# Altium PCB Copy of master.PcbDoc (part 7 of 7)
Units mm, origin at the board's own origin, x right, y up, seen from the top; angles counter-clockwise.
Board outline 160 x 120 mm, 6 copper layers (Top Signal, Top GND, Inner PWR, Inner Signal, Bottom GND, Bottom Signal), stack 1.571 mm thick; 553 components, 452 nets, 2073 pads, 879 vias.
Unrouted connection lines stored in the file: 269.
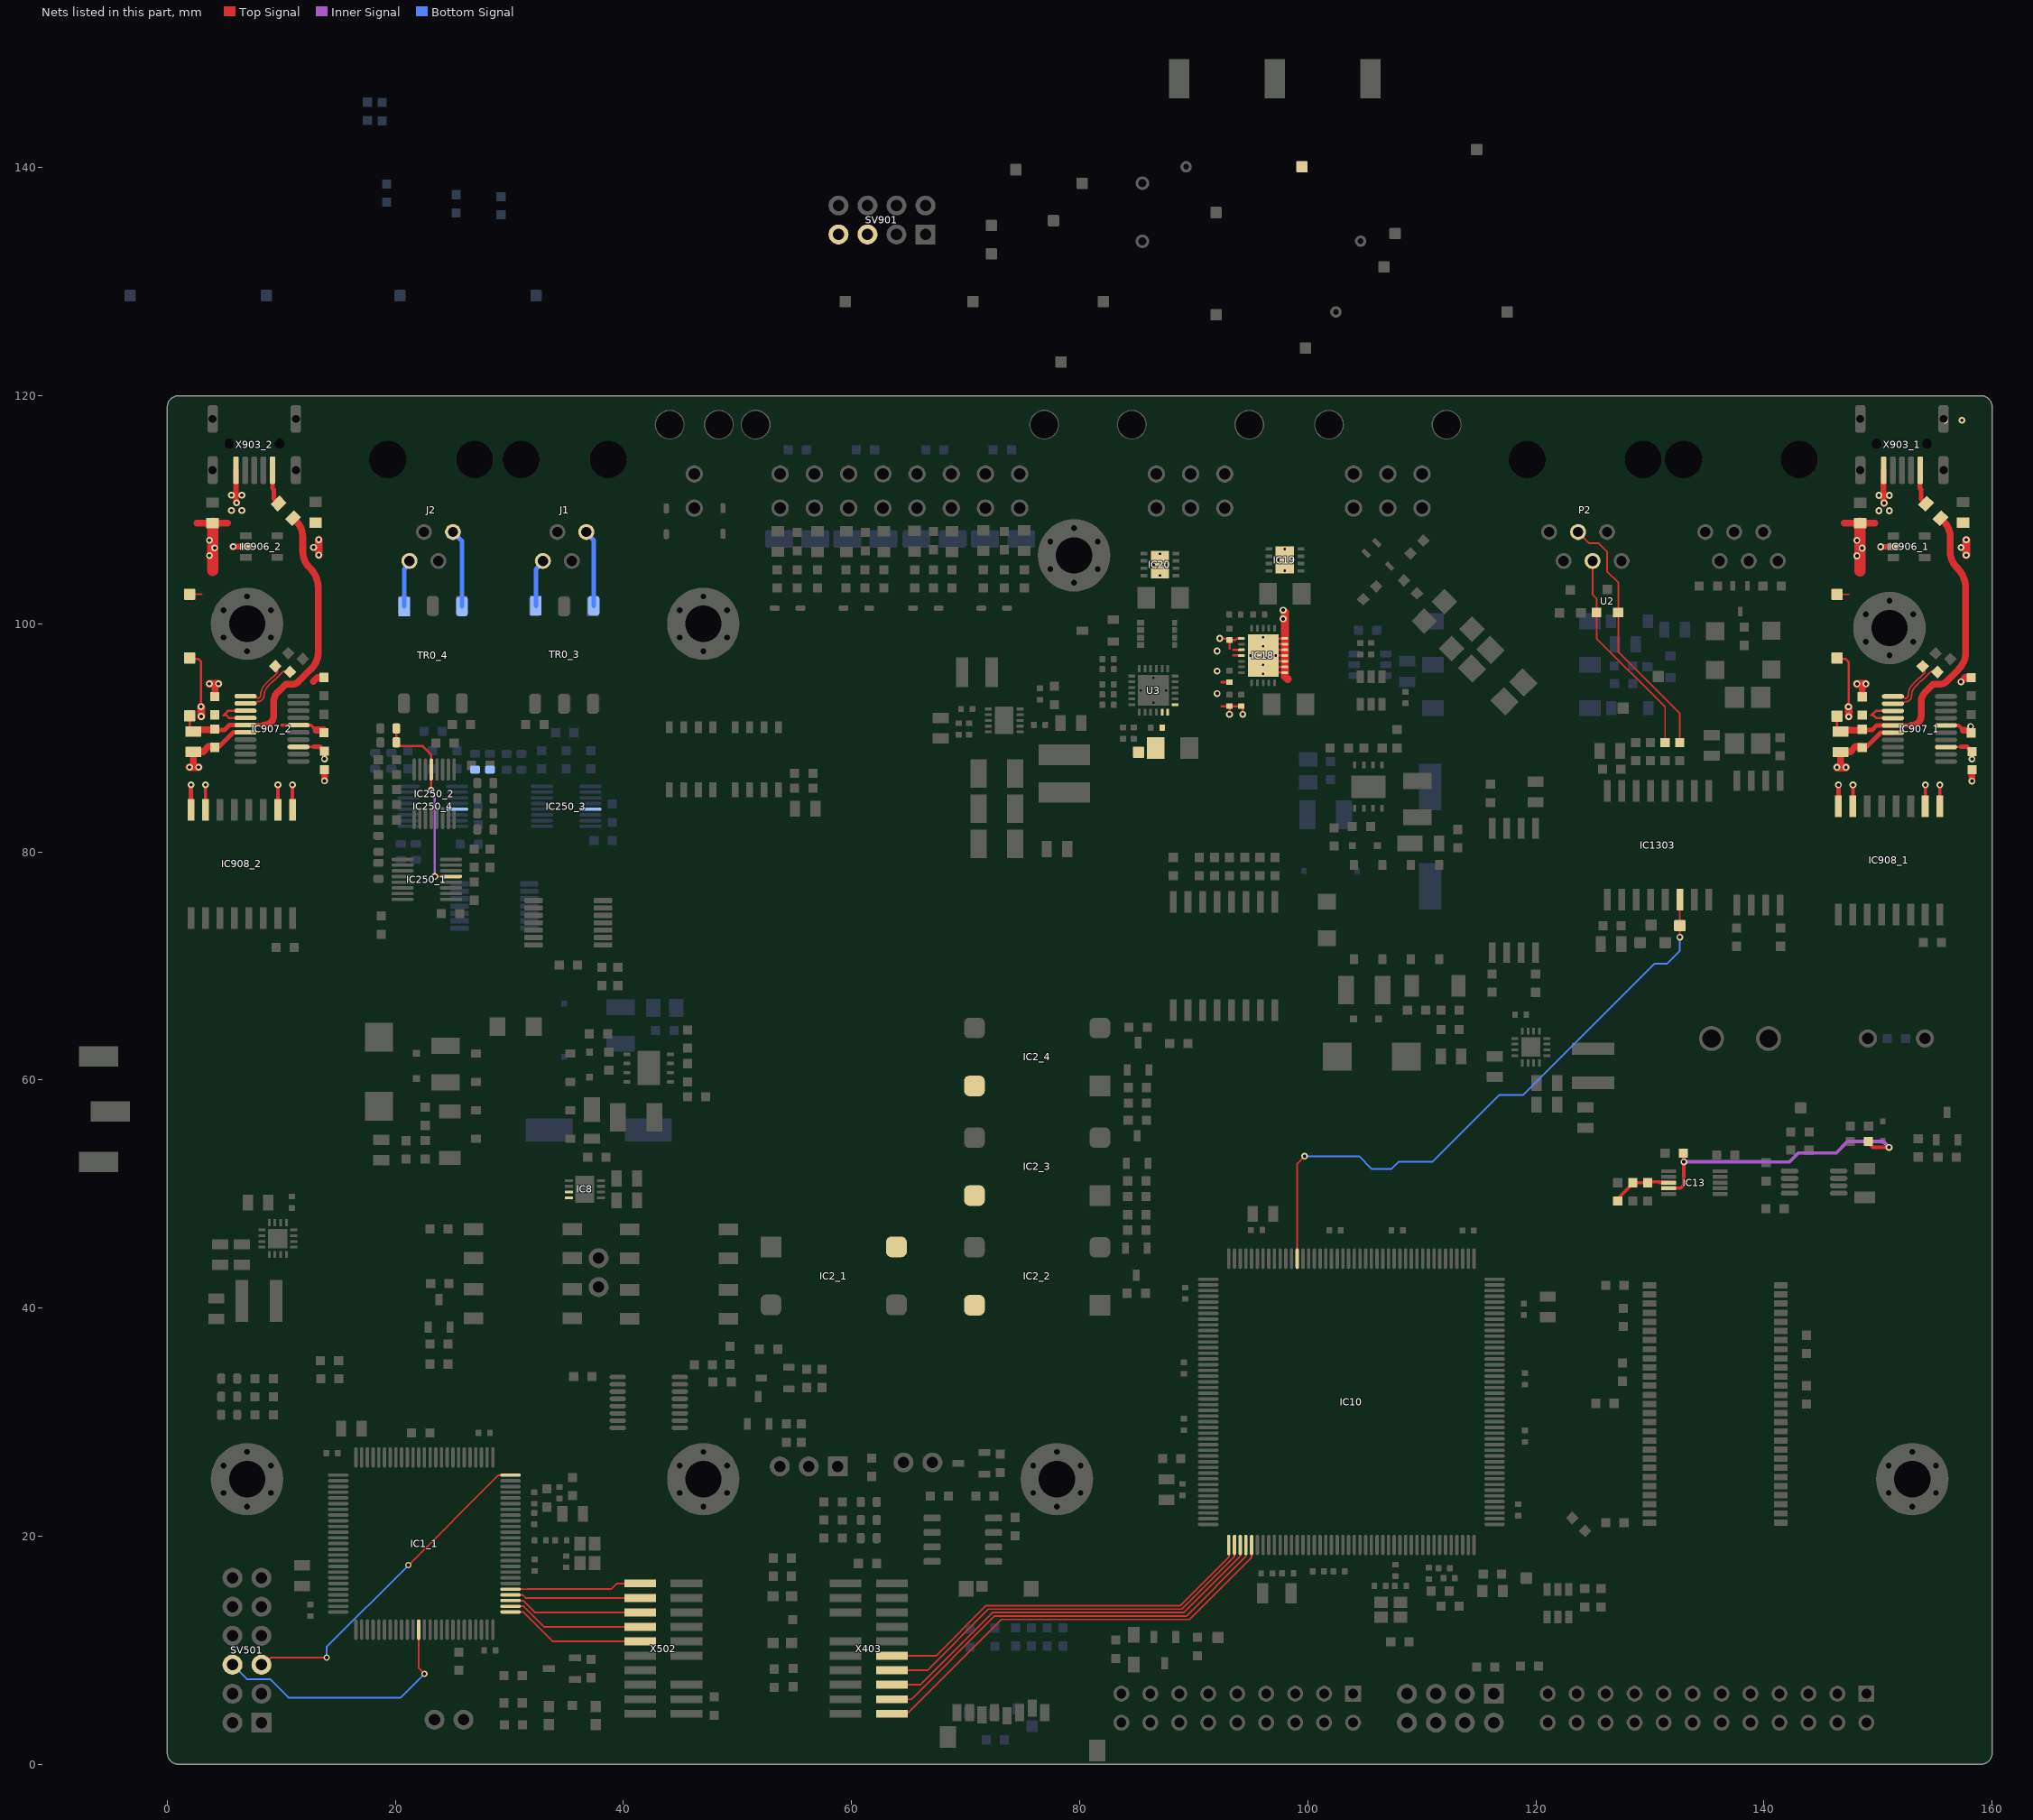
[diagram p11: the nets of this part, all layers, seen from the top]

## Via types
v1: diameter 0.6, hole 0.3, Top Signal to Bottom Signal, 679 vias
v2: diameter 0.55, hole 0.3, Top Signal to Bottom Signal, tented both sides, 125 vias
v3: diameter 0.45, hole 0.2, Top Signal to Bottom Signal, 31 vias
v4: diameter 0.5, hole 0.2, Top Signal to Bottom Signal, 16 vias
v5: diameter 0.5, hole 0.3, Top Signal to Bottom Signal, tented both sides, 13 vias
v6: diameter 0.55, hole 0.3, Top Signal to Bottom Signal, 10 vias
v7: diameter 0.6, hole 0.3, Top Signal to Bottom Signal, tented both sides, 4 vias
v8: diameter 0.5, hole 0.3, Top Signal to Bottom Signal, 1 vias

## Nets (pads, with @x,y where several pads share a name; then routed paths per layer and width w, separated by ;. In a path a pad name is that pad's centre, name@x,y a point inside that pad or via, vN(x,y) a via of type N, cw(c..) or ccw(c..) an arc to the next point about the centre after c; other vN are vias at no path point) (continued)
RS485_MCU_0_TX: IC10.120 IC1303.6 LSP1302.1 | length 55
  Top Signal w0.15: LSP1302.1@132.611,73.528 IC1303.6@132.611,75.833
  Top Signal w0.152: IC10.120@99.072,44.334 99.072,52.665 v1(99.723,53.315) ; v1(132.611,72.52) LSP1302.1@132.611,73.528
  Bottom Signal w0.152: v1(99.723,53.315) 104.495,53.315 105.616,52.194 107.312,52.194 107.943,52.825 110.929,52.825 116.774,58.671 118.851,58.671 130.377,70.196 131.473,70.196 132.611,71.335 v1(132.611,72.52)
RS485_Y_EXT: P2.4 R55.1 U2.2 | length 22.6
  Top Signal w0.15: P2.4@123.698,108.052 124.689,107.061 125.498,107.061 126.231,106.328 126.231,104.597 127.231,103.596 127.231,97.495 132.611,92.115 R55.1@132.611,89.584
RS485_Z_EXT: P2.3 R92.1 U2.1 | length 18.6
  Top Signal w0.15: P2.3@124.968,105.512 124.968,102.558 125.321,102.205 U2.1@125.321,100.996 125.321,98.713 131.324,92.71 R92.1@131.324,89.584
RTN_EXT_0: C122.2 IC18.1 IC18.2 IC18.3 IC18.4 IC18.5 IC18.6 IC18.7 IC18.13 IC18.15 IC18.16 IC18.25 IC18.V R77.1 R79.1 R80.1 | length 29
  Top Signal w0.2: v1(92.285,98.717) 92.987,98.717 R80.1@93.131,98.572 ; 92.42,92.781 R77.1@93.131,92.781 ; 92.445,94.881 93.126,94.881 R79.1@93.131,94.887 ; R80.1@93.063,98.504 R80.1@93.131,98.572 ; v1(93.131,92.062) R77.1@93.131,92.781 ; 93.156,97.822 93.131,97.847 R80.1@93.131,98.572 ; 93.446,97.217 IC18.16@94.182,97.217 ; 93.473,97.717 IC18.15@94.182,97.717 ; IC18.13@94.182,98.717 93.781,98.717 93.636,98.572 R80.1@93.131,98.572 ; v1(94.299,92.062) 94.299,92.781 R77.1@93.131,92.781 ; IC18.1@97.982,95.717 97.332,95.717 96.082,96.967 IC18.25@96.082,97.217 ; IC18.2@97.982,96.217 97.082,96.217 IC18.25@96.582,96.717 ; IC18.3@97.982,96.717 IC18.25@96.582,96.717 ; IC18.4@97.982,97.217 IC18.25@96.082,97.217 ; IC18.5@97.982,97.717 IC18.25@96.582,97.717 ; IC18.6@97.982,98.217 97.082,98.217 IC18.25@96.582,97.717 ; IC18.7@97.982,98.717 97.332,98.717 96.082,97.467 IC18.25@96.082,97.217 ; IC18.25@96.082,97.217 IC18.25@96.582,97.717 ; IC18.25@96.082,97.217 IC18.25@96.582,96.717
  Top Signal w0.7: v1@97.982,101.012 IC18.7@97.982,98.717 IC18.6@97.982,98.217 IC18.5@97.982,97.717 IC18.4@97.982,97.217 IC18.3@97.982,96.717 IC18.2@97.982,96.217 IC18.1@97.982,95.717 97.982,95.398 98.237,95.143
  other v1: 92.056,93.881 92.056,95.844 92.056,97.611 97.838,100.43 97.838,101.2
SEC_OUT_N: J1.4 TR0_3.1 | length 4.2
  Bottom Signal w0.4: TR0_3.1@32.311,101.582 32.311,104.778 32.928,105.395 J1.4@32.928,105.512
SEC_OUT_P: J1.1 TR0_3.3 | length 6.7
  Bottom Signal w0.4: J1.1@36.738,108.052 36.738,107.971 37.391,107.318 TR0_3.3@37.391,101.582
SEC_REV_N: J2.4 TR0_4.1 | length 4.2
  Bottom Signal w0.4: TR0_4.1@20.764,101.52 20.764,104.777 21.234,105.248 J2.4@21.234,105.512
SEC_REV_P: J2.1 TR0_4.3 | length 6.9
  Bottom Signal w0.4: J2.1@25.044,108.052 25.844,107.252 TR0_4.3@25.844,101.52
SLOW_1: IC250_1.13 IC250_2.13 JP202_1.1 JP206_1.2 | length 16.8
  Top Signal w0.2: JP206_1.2@20.08,90.519 20.08,89.301 22.345,89.301 23.143,88.503 IC250_2.13@23.143,87.219 23.139,87.215 v1(23.139,85.393) ; v1(23.459,77.841) IC250_1.13@24.874,77.841
  Inner Signal w0.2: v1(23.139,85.393) 23.459,85.072 v1(23.459,77.841)
SLOW_2: IC250_3.13 IC250_4.13 JP202_2.1 JP206_2.2
SUPPLY_ext: C38.2 IC2_1.4 IC2_2.4 IC2_3.4 IC2_4.4 IC8.7 IC8.8 R57.2 SV901.5 SV901.7 TPeEX2.1 TPeSUP1.1 U3.17 U3.18 U3.19
TRACECLK_MCU_0: IC10.1 X403.12 | length 33.9
  Top Signal w0.152: X403.12@64.535,9.511 67.387,9.511 71.791,13.914 88.819,13.914 93.079,18.174 93.079,19.228 IC10.1@93.073,19.234 IC10.1@93.073,18.522
TRACECLK_MCU_1: IC1_1.1 X502.12 | length 12.5
  Top Signal w0.15: 39.42,10.78 39.703,10.78 39.71,10.786
  Top Signal w0.152: IC1_1.1@30.293,13.354 31.189,13.354 33.756,10.786 39.71,10.786 ; 39.703,10.78 X502.12@41.465,10.78
TRACED0_MCU_0: IC10.2 X403.14 | length 34.2
  Top Signal w0.15: X403.14@64.535,8.241 66.626,8.241 71.995,13.61 88.944,13.61 93.572,18.238 IC10.2@93.572,19.234
TRACED0_MCU_1: IC1_1.2 X502.14 | length 11.9
  Top Signal w0.152: IC1_1.2@30.293,13.854 31.234,13.854 33.038,12.05 X502.14@41.465,12.05
TRACED1_MCU_0: IC10.3 X403.16 | length 35.2
  Top Signal w0.15: X403.16@64.535,6.971 66.029,6.971 72.379,13.321 89.157,13.321 94.073,18.236 IC10.3@94.073,19.234
TRACED1_MCU_1: IC1_1.3 X502.16 | length 11.6
  Top Signal w0.152: IC1_1.3@30.293,14.354 31.182,14.354 32.216,13.32 39.42,13.32 X502.16@41.465,13.32
TRACED2_MCU_0: IC10.4 X403.18 | length 37.2
  Top Signal w0.15: X403.18@63.535,5.701 65.247,5.701 ; 65.247,5.712 72.517,12.982 89.333,12.982 94.572,18.221 IC10.4@94.572,19.234
TRACED2_MCU_1: IC1_1.4 X502.18 | length 11.3
  Top Signal w0.152: IC1_1.4@30.293,14.854 31.162,14.854 31.426,14.59 X502.18@41.465,14.59
TRACED3_MCU_0: IC10.5 X403.20 | length 38.3
  Top Signal w0.15: X403.20@63.535,4.431 64.878,4.431 73.147,12.7 89.612,12.7 95.073,18.161 IC10.5@95.073,19.234
TRACED3_MCU_1: IC1_1.5 X502.20 | length 11.4
  Top Signal w0.152: IC1_1.5@30.293,15.354 31.166,15.354 31.169,15.351 31.586,15.351 31.589,15.354 38.914,15.354 39.42,15.86 X502.20@41.465,15.86
U_1_N: IC907_1.12 R913_1.1 | length 5.4
  Top Signal w0.14: IC907_1.12@151.304,92.998 151.998,92.998 ccw(c151.998,93.291) 152.205,93.084 cw(c152.412,92.877) 152.412,93.17 152.488,93.17 ccw(c152.488,93.46) 152.692,93.255 152.835,93.397 ccw(c152.63,93.603) 152.92,93.603 cw(c154.271,93.603) 153.316,94.558 153.715,94.957 cw(c153.759,94.912) 153.759,94.975 ccw(c153.759,95.039) 153.804,94.994 154.528,95.718 cw(c154.965,95.281) 154.965,95.899 155.143,95.899 cw(c155.143,95.711) R913_1.1@155.276,95.844
U_1_P: IC907_1.11 R914_1.1 | length 4.8
  Top Signal w0.14: IC907_1.11@151.304,93.633 151.998,93.633 cw(c151.998,93.341) 152.205,93.548 152.222,93.531 ccw(c152.389,93.698) 152.389,93.462 ccw(c152.389,93.698) 152.556,93.531 ccw(c152.381,93.706) 152.628,93.706 cw(c154.023,93.706) 153.037,94.692 153.594,95.249 cw(c153.639,95.204) 153.639,95.267 ccw(c153.639,95.331) 153.683,95.286 154.074,95.677 ccw(c153.976,95.776) 154.115,95.776 154.115,95.819 ccw(c154.08,95.819) 154.105,95.844 cw(c154.13,95.869) 154.095,95.869 154.095,96.071 ccw(c153.716,96.071) R914_1.1@153.984,96.339
U_2_N: IC907_2.12 R913_2.1 | length 5.4
  Top Signal w0.14: IC907_2.12@6.858,93.015 7.552,93.015 ccw(c7.552,93.307) IC907_2.12@7.759,93.101 ; IC907_2.12@7.759,93.101 cw(c7.966,92.894) 7.966,93.186 8.042,93.186 ccw(c8.042,93.476) 8.247,93.271 8.389,93.414 ccw(c8.184,93.619) 8.474,93.619 cw(c9.826,93.619) 8.87,94.575 9.269,94.973 cw(c9.314,94.928) 9.314,94.992 ccw(c9.314,95.055) 9.359,95.01 10.082,95.734 cw(c10.519,95.297) 10.519,95.915 10.698,95.915 cw(c10.698,95.728) R913_2.1@10.83,95.86
U_2_P: IC907_2.11 R914_2.1 | length 4.8
  Top Signal w0.14: IC907_2.11@6.858,93.65 7.552,93.65 cw(c7.552,93.357) 7.759,93.564 7.776,93.548 ccw(c7.943,93.715) 7.943,93.478 ccw(c7.943,93.715) 8.11,93.548 ccw(c7.935,93.722) 8.182,93.722 cw(c9.577,93.722) 8.591,94.708 9.148,95.265 cw(c9.193,95.22) 9.193,95.284 ccw(c9.193,95.347) 9.238,95.302 9.628,95.693 ccw(c9.53,95.792) 9.669,95.792 9.669,95.836 ccw(c9.635,95.836) 9.659,95.86 ; R914_2.1@9.538,96.355 cw(c9.27,96.087) 9.649,96.087 9.649,95.885 ccw(c9.684,95.885) 9.659,95.86
USART_MCU_1_RX: IC1_1.87 SV501.6 | length 22.8
  Top Signal w0.152: IC1_1.87@22.043,11.604 22.043,8.424 v2(22.543,7.924)
  Bottom Signal w0.152: SV501.6@5.715,8.73 6.977,7.468 8.992,7.468 10.618,5.842 20.461,5.842 v2(22.543,7.924)
USART_MCU_1_TX: IC1_1.25 SV501.5 | length 29.5
  Top Signal w0.152: SV501.5@8.255,8.73 8.444,8.73 9.067,9.353 v2(13.97,9.353) ; v2(21.141,17.459) 29.036,25.354 IC1_1.25@30.092,25.354 IC1_1.25@30.293,25.354
  Bottom Signal w0.152: v2(13.97,9.353) 13.97,10.288 v2(21.141,17.459)
USB_+3.3V_1: C4_1.1 C10_1.1 IC907_1.3 IC907_1.13 IC907_1.14 IC908_1.1 IC908_1.7 TPu3.3v2_1.1 | length 16.6
  Top Signal w0.2: TPu3.3v2_1.1@146.859,96.909 147.151,96.909 147.404,96.656 v1(147.404,92.719) ; 149.399,91.957 149.512,92.07 ; IC907_1.14@151.304,91.728 149.854,91.728 149.512,92.07 ; IC907_1.13@151.304,92.363 149.805,92.363 149.512,92.07 ; IC907_1.3@155.954,89.188 157.24,89.188 157.259,89.207
  Top Signal w0.3: IC908_1.7@147.795,83.677 v1(147.795,85.871) ; IC908_1.1@155.415,83.677 v1(155.415,85.871)
  Top Signal w0.4: 157.259,89.207 157.817,89.207 C10_1.1@157.944,89.08 ; C10_1.1@158.226,88.798 158.229,88.796 158.229,88.132 v1(158.231,88.129)
  Top Signal w0.7: v1(147.404,92.719) 147.418,92.705 v1(147.418,91.855)
USB_+3.3V_2: C4_2.1 C10_2.1 IC907_2.3 IC907_2.13 IC907_2.14 IC908_2.1 IC908_2.7 TPu3.3v2_2.1 | length 16.6
  Top Signal w0.2: TPu3.3v2_2.1@2.413,96.925 2.705,96.925 2.958,96.672 v1(2.958,92.735) ; 4.953,91.973 5.066,92.087 ; IC907_2.14@6.858,91.745 5.408,91.745 5.066,92.087 ; IC907_2.13@6.858,92.38 5.359,92.38 5.066,92.087 ; IC907_2.3@11.508,89.205 12.794,89.205 12.813,89.224
  Top Signal w0.3: IC908_2.7@3.349,83.693 v1(3.349,85.888) ; IC908_2.1@10.969,83.693 v1(10.969,85.888)
  Top Signal w0.4: 12.813,89.224 13.371,89.224 C10_2.1@13.498,89.096 ; C10_2.1@13.78,88.814 13.783,88.812 13.783,88.148 v1(13.785,88.146)
  Top Signal w0.7: v1(2.958,92.735) 2.972,92.722 v1(2.972,91.872)
USB_+VBUS_1: C1_1.1 C3_1.1 IC907_1.15 L901_1.2 TPuVb2_1.1 | length 28.6
  Top Signal w0.2: C1_1.1@146.4,90.675 TPuVb2_1.1@146.4,91.905 ; C3_1.1@148.727,90.443 C3_1.1@148.808,90.524
  Top Signal w0.4: C3_1.1@148.611,90.675 149.463,90.675 149.881,91.093 IC907_1.15@151.304,91.093 152.92,91.093
  Top Signal w0.6: C1_1.1@146.719,90.671 146.724,90.675 C3_1.1@148.611,90.675 ; 152.92,91.093 152.923,91.093 ccw(c152.923,91.961) 153.536,91.347 ccw(c152.955,91.929) 153.777,91.929 153.777,93.17 cw(c154.919,93.17) 154.112,93.977 154.826,94.692 155.423,94.692 ccw(c155.423,95.443) 155.954,94.912 157.07,96.027 ccw(c155.6,97.498) 157.679,97.498 157.679,103.105 ccw(c155.139,103.105) 156.935,104.901 156.893,104.943 cw(c158.277,106.326) 156.32,106.326 156.32,107.611 ccw(c154.398,107.611) L901_1.2@155.757,108.97
USB_+VBUS_2: C1_2.1 C3_2.1 IC907_2.15 L901_2.2 TPuVb2_2.1 | length 28.6
  Top Signal w0.2: C1_2.1@1.954,90.692 TPuVb2_2.1@1.954,91.921 ; C3_2.1@4.281,90.459 C3_2.1@4.362,90.54
  Top Signal w0.4: C3_2.1@4.166,90.692 5.018,90.692 5.436,91.11 IC907_2.15@6.858,91.11 8.474,91.11
  Top Signal w0.6: C1_2.1@2.273,90.687 2.278,90.692 C3_2.1@4.166,90.692 ; 8.474,91.11 8.477,91.11 ccw(c8.477,91.977) 9.091,91.364 ccw(c8.509,91.945) 9.331,91.945 9.331,93.186 cw(c10.473,93.186) 9.666,93.993 10.381,94.708 10.977,94.708 ccw(c10.977,95.459) 11.508,94.928 12.624,96.044 ccw(c11.154,97.515) 13.233,97.515 13.233,103.121 ccw(c10.693,103.121) 12.489,104.917 12.448,104.959 cw(c13.831,106.343) 11.874,106.343 11.874,107.627 ccw(c9.952,107.627) L901_2.2@11.311,108.987
USB_GND_1: C1_1.2 C3_1.2 C4_1.2 C10_1.2 IC906_1.2 IC907_1.6 IC907_1.16 IC908_1.2 IC908_1.8 L902_1.1 L903_1.1 R915_1.2 R916_1.2 TPuGND2_1.1 X903_1.5 | length 28.7
  Top Signal w0.152: TPuGND2_1.1@146.4,102.573 147.445,102.573
  Top Signal w0.3: IC908_1.2@154.145,83.677 v1(154.145,85.871) ; IC907_1.6@155.822,91.146 IC907_1.6@155.922,91.146 ; IC907_1.6@155.954,91.093 157.051,91.093 157.474,90.671
  Top Signal w0.4: IC908_1.8@146.525,83.677 v1(146.525,85.871) ; C3_1.2@148.611,89.225 148.994,89.225 150.227,90.458 IC907_1.16@151.304,90.458
  Top Signal w0.5: v1(150.218,106.749) IC906_1.2@151.332,106.749
  Top Signal w0.6: 146.794,87.413 146.719,87.488 146.719,88.621 146.869,88.771 147.58,88.771 148.035,89.225 C3_1.2@148.611,89.225 ; 147.031,108.812 L903_1.1@148.421,108.812 149.72,108.812 ; 148.411,104.633 148.421,104.642 ; 148.536,94.728 148.611,94.653 C4_1.2@148.611,93.52 ; v1(157.259,94.912) 157.626,95.279 R915_1.2@158.174,95.279 ; 157.474,90.671 R916_1.2@158.151,90.671 ; v1(158.231,86.209) C10_1.2@158.231,87.233
  Top Signal w0.7: v1(146.4,87.413) 146.794,87.413 v1(147.188,87.413) ; v1(148.143,94.728) 148.536,94.728 v1(148.93,94.728) ; v1(157.729,106.012) v1(157.729,107.357)
  Top Signal w1: 148.421,104.642 L903_1.1@148.421,108.812
  other v1: 158.113,90.996 148.143,105.961 148.598,106.634 157.273,106.684 148.143,107.306 155.853,117.84 157.353,117.84
USB_GND_2: C1_2.2 C3_2.2 C4_2.2 C10_2.2 IC906_2.2 IC907_2.6 IC907_2.16 IC908_2.2 IC908_2.8 L902_2.1 L903_2.1 R915_2.2 R916_2.2 TPuGND2_2.1 X903_2.5 | length 35.9
  Top Signal w0.152: TPuGND2_2.1@1.954,102.589 2.999,102.589
  Top Signal w0.3: IC908_2.2@9.699,83.693 v1(9.699,85.888) ; 10.033,91.11 12.605,91.11 13.028,90.687
  Top Signal w0.4: IC908_2.8@2.079,83.693 v1(2.079,85.888) ; C3_2.2@4.166,89.242 4.548,89.242 5.781,90.475 IC907_2.16@6.858,90.475
  Top Signal w0.5: v1(5.772,106.766) IC906_2.2@6.887,106.766 ; v1@6.025,110.546 X903_2.5@6.025,113.464 ; v1@150.471,110.53 150.471,113.448
  Top Signal w0.6: 2.348,87.429 2.273,87.504 2.273,88.637 2.423,88.787 3.134,88.787 3.589,89.242 C3_2.2@4.166,89.242 ; 2.585,108.828 L903_2.1@3.975,108.828 5.274,108.828 ; 3.966,104.649 3.975,104.658 ; 4.091,94.744 4.166,94.669 C4_2.2@4.166,93.537 ; 12.813,94.928 13.181,95.296 R915_2.2@13.728,95.296 ; 13.028,90.687 R916_2.2@13.705,90.687 ; v1(13.785,86.225) C10_2.2@13.785,87.249
  Top Signal w0.7: v1(1.954,87.429) 2.348,87.429 v1(2.742,87.429) ; v1(3.697,94.744) 4.091,94.744 v1(4.484,94.744) ; v1(13.283,106.028) v1(13.283,107.374)
  Top Signal w1: 3.975,104.658 L903_2.1@3.975,108.828
  other v1: 3.697,105.977 4.152,106.65 12.827,106.701 3.697,107.323 150.071,109.915 150.982,109.915 5.625,109.931 6.536,109.931 6.081,110.604 150.527,110.588 150.071,111.26 150.982,111.26 5.625,111.277 6.536,111.277
USB_VBUS_1: L901_1.1 X903_1.1 | length 2.7
  Top Signal w0.4: X903_1.1@153.671,113.448 153.671,111.865 153.777,111.759 153.777,110.95 L901_1.1@153.919,110.809
USB_VBUS_2: L901_2.1 X903_2.1 | length 2.7
  Top Signal w0.4: X903_2.1@9.225,113.464 9.225,111.882 9.331,111.775 9.331,110.966 L901_2.1@9.473,110.825
VBU_MON: C103.2 IC13.4 R76.1 | length 25.3
  Top Signal w0.3: IC13.4@131.626,50.515 132.695,50.515 132.969,50.789 ; 132.969,50.789 v1(132.969,52.825) C103.2@132.969,53.217 ; R76.1@148.93,54.734 149.134,54.53 149.134,54.495 149.537,54.092 v1(150.964,54.092)
  Inner Signal w0.3: v1(132.969,52.825) 139.905,52.825 139.92,52.811 142.217,52.811 143.015,53.608 146.328,53.608 147.324,54.605 150.451,54.605 v1(150.964,54.092)
  Bottom Signal w0.3: v1@150.789,54.092 v1(150.964,54.092)
VIN_MON: C89.2 IC13.3 R64.2 R65.1 | length 5.3
  Top Signal w0.3: R65.1@127.167,49.39 127.167,49.595 128.562,50.99 129.73,50.99 129.811,51.071 130.818,51.071 130.874,51.015 IC13.3@131.626,51.015
ZHS_0: IC19.9 IC19.V
ZHS_2: IC20.9 IC20.V
pads on no net: D13.2 Designator15.0 Designator16.0 Designator17.0 Designator18.0 Designator19.0 Designator20.0 Designator21.0 Designator22.0 IC1_1.7 IC1_1.8 IC1_1.9 IC1_1.15 IC1_1.16 IC1_1.23 IC1_1.24 IC1_1.26 IC1_1.33 IC1_1.34 IC1_1.35 IC1_1.36 IC1_1.38 IC1_1.39 IC1_1.40 IC1_1.41 IC1_1.42 IC1_1.43 IC1_1.44 IC1_1.45 IC1_1.46 IC1_1.55 IC1_1.56 IC1_1.57 IC1_1.58 IC1_1.59 IC1_1.60 IC1_1.61 IC1_1.62 IC1_1.63 IC1_1.64 IC1_1.65 IC1_1.66 IC1_1.67 IC1_1.68 IC1_1.88 IC1_1.92 IC1_1.93 IC1_1.95 IC1_1.96 IC1_1.97 IC1_1.98 IC4.36 IC4.40 IC4_1.5 IC4_1.7 IC4_1.10 IC4_1.12 IC8.3 IC8.5 IC8.6 IC10.12 IC10.13 IC10.28 IC10.43 IC10.46 IC10.110 IC10.151 IC10.176 IC18.11 IC18.21 IC906_1.1 IC906_1.3 IC906_2.1 IC906_2.3 IC907_1.5 IC907_1.8 IC907_1.10 IC907_1.17 IC907_1.18 IC907_1.19 IC907_2.5 IC907_2.8 IC907_2.10 IC907_2.17 IC907_2.18 IC907_2.19 IC1303.7 IC1303.10 J1.MH J2.MH JP2201.5 JP2201.6 JP2201.7 JP2201.8 JP2202.11 JP2202.13 JP2202.14 JP2202.16 JP2202.23 P1.1 P1.6 P1.MH P2.MH Q1.4 Q3.4 S401.5 S501.5 TR0_1.2 TR0_2.2 TR0_3.2 TR0_4.2 U3.V U7.11@73.123,89.996 U7.11@73.123,93.056 U7.11@73.373,90.896 U7.11@73.373,92.156 U7.11@73.623,89.996 U7.11@73.623,93.056 U10_1.9@104.551,85.722 U10_1.9@106.061,85.722 U10_2.9@42.214,60.289 U10_2.9@42.214,61.799 X201.MH1 X801.MH1 X901.MH1 X903_1.4 X903_1.X X903_1.Y X903_2.4 X903_2.X X903_2.Y X1201.MH1
copper on no net:
  other v1: 126.325,26.87 113.735,35.794

## Polygon pours and split planes (outlines as drawn)
no net on Top Overlay (solid): 6.731,-2.565
no net on Top Overlay "Polygon_42_NoNet" (solid): 33 vertices, not listed, extent 140.777,14.026 141.306,14.558
no net on Top Overlay "Polygon_41_NoNet" (solid): 17 vertices, not listed, extent 140.542,12.197 141.541,13.955
no net on Top Overlay "Polygon_40_NoNet" (solid): 133 vertices, not listed, extent 139.223,11.558 142.86,15.198
no net on Top Overlay "Polygon_39_NoNet" (solid): 59 vertices, not listed, extent 136.864,12.803 137.908,13.951
no net on Top Overlay "Polygon_38_NoNet" (solid): 58 vertices, not listed, extent 135.819,12.803 136.863,13.951
no net on Top Overlay "Polygon_37_NoNet" (solid): 134 vertices, not listed, extent 135.042,11.558 138.68,15.196
no net on Top Overlay "Polygon_29_NoNet" (solid, pour order 45): 151.613,21.107 158.02,21.107 158.02,2.337 151.613,2.337
no net on Top Overlay "Polygon_28_NoNet" (solid, pour order 34): 61 vertices, not listed, extent 20.346,-36.016 24.37,-29.123
no net on Top Overlay "Polygon_27_NoNet" (solid, pour order 33): 60 vertices, not listed, extent 23.907,-34.624 27.558,-30.601
no net on Top Overlay "Polygon_26_NoNet" (solid, pour order 31): 53 vertices, not listed, extent 27.543,-34.615 31.57,-30.601
no net on Top Overlay "Polygon_25_NoNet" (solid, pour order 23): 69 vertices, not listed, extent 33.094,-34.572 36.309,-30.036
no net on Top Overlay "Polygon_24_NoNet" (solid, pour order 25): 33 vertices, not listed, extent 37.239,-34.598 41.248,-30.01
no net on Top Overlay "Polygon_23_NoNet" (solid, pour order 18): 75 vertices, not listed, extent 42.158,-34.61 45.314,-29.998
no net on Top Overlay "Polygon_22_NoNet" (solid, pour order 42): 105 vertices, not listed, extent 18.061,-37.31 49.021,-27.313
no net on Top Overlay "Polygon_10_NoNet" (solid, pour order 5): 23.319,93.454 23.319,93.91 25.495,93.909 25.494,93.452
no net on Top Overlay "Polygon_9_NoNet" (solid, pour order 4): 23.319,94.434 23.319,94.874 25.495,94.874 25.492,94.435
no net on Top Overlay "Polygon_8_NoNet" (solid, pour order 8): 60 vertices, not listed, extent 23.283,95.321 25.53,96.695
no net on Top Overlay "Polygon_7_NoNet" (solid, pour order 10): 56 vertices, not listed, extent 23.314,97.109 25.494,98.608
GND_0 on Top Signal "GND_0_L01_P112" (solid, pour order 112): 115.445,60.701 115.445,61.141 115.434,61.152 118.882,61.152 120.157,59.876 120.157,56.89 115.495,56.89 115.434,56.951
NetQ4_5 on Top Signal "Top Signal-NetQ4_5" (solid, pour order 110): 88.509,100.339 89.383,100.339 89.383,96.006 88.672,95.296 88.067,95.296 88.067,95.536 87.837,95.766 87.097,95.766 87.097,96.972 86.222,97.889 88.509,97.941
EXT_2_SUPPLY on Top Signal "Top Signal-EXT_2_SUPPLY" (solid, pour order 108): 82.601,102.577 80.952,100.929 79.104,100.929 78.918,100.743 78.918,98.58 80.105,97.394 82.541,97.394 83.384,96.55 85.414,96.55 85.597,96.366 85.837,96.366 85.837,96.585 85.339,97.083 83.817,97.083 82.601,98.3
RTN_EXT_0 on Top Signal "Top Signal-RTN_EXT_0" (solid, remove dead copper, pour order 67): 25 vertices, not listed, extent 91.709,91.198 98.922,104.624
GND_1 on Top Signal "GND_1_L01_P106" (solid, remove dead copper, pour order 106): 0,75.667 0,0.61 0.559,0.051 49.733,0.051 49.733,20.187 49.054,20.187 43.872,20.187 41.453,22.606 41.453,35.027 26.899,35.027 26.899,66.067 12.292,66.067 12.292,75.81
GND_0 on Top Signal "NONET_L01_P102" (solid, remove dead copper, shelved, pour order 102): 19 vertices, not listed, extent 43.744,-1.168 160.147,76.983
USB_GND_2 on Top Signal "USB_GND_2_L01_P107" (solid, remove dead copper, pour order 107): 0.076,119.812 0.076,81.483 17,81.483 17,94.709 14.732,96.977 14.732,114.376 12.624,116.485 12.624,120
CONTACTORS_COMMON_NEG on Top Signal "CONTACTORS_COMMON_NEG_L01_P087" (solid, pour order 87): 54.385,86.901 54.385,95.657 43.499,95.657 43.499,86.901
EXT_0_GND on Top Signal "EXT_0_GND_L01_P085" (solid, pour order 85): 54.385,85.065 54.385,80.417 43.488,80.417 43.488,85.065
GND_1 on Bottom Signal "GND_1_L06_P103" (solid, pour order 103): 49.708,0.092 49.708,19.591 44.128,19.591 40.873,22.845 40.873,34.997 26.992,34.997 26.992,66.067 12.514,66.067 12.514,74.83 0.078,74.83 -0.025,74.727 -0.025,1.025 1,0
GND_0 on Bottom Signal "NONET_L06_P083" (solid, remove dead copper, shelved, pour order 83): 19 vertices, not listed, extent 43.536,-1.168 160.147,76.983
RTN_EXT_0 on Bottom Signal "Bottom Signal-RTN_EXT_0" (solid, pour order 69): 92.422,91.653 100.116,91.653 100.116,101.689 91.876,101.689 91.876,92.2
ZHS_0 on Bottom Signal "Bottom Signal-ZHS" (solid, pour order 71): 92.043,101.715 92.043,107.68 100.116,107.68 100.116,101.715
GND_1 on Inner Signal "GND_1_L04_P097" (solid, pour order 97): -0.025,82.296 14.412,82.296 42.718,53.989 42.718,21.772 44.094,20.396 48.43,20.396 49.936,20.396 49.936,-0.507 0.507,-0.507 0,0
GND_0 on Inner Signal "Inner Signal-CAN_GND_INT" (solid, shelved, pour order 81): 20 vertices, not listed, extent 43.233,-1.168 160.147,72.898
USB_GND_2 on Inner Signal "USB_GND_2_L04_P099" (solid, pour order 99): 0,120 0,83.388 14.58,83.388 16.688,85.496 16.688,94.082 14.046,96.723 14.046,114.275 12.573,115.748 12.573,119.939 12.497,120.015
no net on Inner Signal "Inner Signal-No Net 1" (solid, pour order 95): 0.025,75.26
no net on Inner Signal "Inner Signal-No Net" (solid, pour order 73): 154.28,60.757
CONTACTORS_COMMON_NEG on Top GND (split plane): 115 vertices, not listed, extent 0.601,0.601 159.399,119.398
USB_GND_2 on Top GND (split plane): 41 vertices, not listed, extent 0.601,76.245 14.814,119.399
+3.3V_1 on Inner PWR (split plane): 114 vertices, not listed, extent 2.502,2.502 157.498,117.498
+3.3V_1 on Inner PWR (split plane): 14.865,83.749 14.346,83.23 3.739,83.23 2.502,84.467 2.502,92.724 3.028,93.249 12.99,93.249 13.088,93.259 13.182,93.287 13.269,93.334 13.345,93.396 14.865,94.916
USB_GND_2 on Inner PWR (split plane): 13.95,96.882 13.96,96.784 13.988,96.689 14.035,96.603 14.097,96.526 14.576,96.048 12.781,94.254 3.612,94.254 2.502,95.364 2.502,116.727 3.078,117.303 13.95,117.303
GND_0 on Bottom GND (split plane): 95 vertices, not listed, extent 0.601,0.601 159.399,119.399

## Keep-outs
Top Signal:
  lines w1.5: 14.612,120 14.612,97.8 15.849,96.564
  lines w2: 15.849,76.556 15.849,96.564
  lines w2.5: 0.127,76.556 15.849,76.556 ; 33.147,37.563 34.109,36.601 41.362,36.601 42.189,35.774 42.189,22.276 44.262,20.203 49.133,20.203 51.003,20.203 51.003,0
  lines w3.8: 41.758,36.281 43.536,36.281 43.536,46.324 43.627,46.233 45.868,46.233 45.874,46.226 ; 45.874,38.533 45.874,46.226 ; 115.525,120.085 115.525,112.567 117.628,110.464 117.628,100.53 122.936,95.222 122.936,73.875 ; 144.069,70.934 144.069,106.936 ; 160,77.546 144.069,77.546 142.596,79.019 125.067,79.019 120.231,74.183 114.442,74.183 113.354,73.095 99.554,73.095 96.207,69.748 77.383,69.748 73.838,66.203 73.838,38.372 72.549,37.083 61.351,37.083 59.657,38.777 59.657,47.995 57.664,49.987 46.873,49.987 45.874,48.988 45.874,46.226
Inner Signal:
  lines w1: 0.025,82.855 14.499,82.855 ; 15.151,83.63 15.151,83.507 14.499,82.855 ; 15.367,95.733 15.367,83.631 15.276,83.631 14.499,82.855 ; 43.037,37.68 43.037,21.718 44.003,20.753 49.641,20.753 50.267,20.753 50.267,-0.05 ; 154.406,94.31 156.343,96.247 157.921,96.247
Bottom Signal:
  lines w1: 14.612,118.77 14.612,113.785 15.291,113.106
  lines w2: 15.291,97.155 15.291,113.106
  lines w2.5: 0,75.413 18.106,75.413 ; 15.291,97.155 16.104,96.342 16.104,77.415 ; 30.632,49.515 30.632,38.78 33.014,36.398 40.925,36.398 41.732,35.591 41.732,21.844 43.589,19.988 49.39,19.988 51.029,18.349 51.029,-0.051
Keep-Out Layer:
  the board outline again, w0

## Other copper
Top Signal:
  rectangle net USB_GND_1: 156.893,106.038 158.118,107.817
  region net USB_GND_1: 157.692,109.687 157.179,109.687 157.179,107.421 157.692,107.421
  region net USB_GND_1: 156.626,109.104 156.626,108.591 158.001,108.591 158.001,109.104
  rectangle net USB_+3.3V_1: 147.062,91.703 149.856,92.44
  rectangle net USB_GND_2: 149.688,109.508 151.332,111.607
  region net USB_GND_2: 12.18,109.12 12.18,108.607 13.555,108.607 13.555,109.12
  region net USB_GND_2: 13.246,109.703 12.733,109.703 12.733,107.437 13.246,107.437
  region net +9-30V_IN_1: 97.462,93.44 97.462,94.997 96.511,94.997 96.511,93.44
  region net +9-30V_IN_1: 97.467,92.969 97.467,93.916 96.179,93.916 96.179,92.969
  rectangle net USB_GND_2: 5.243,109.525 6.887,111.623
  rectangle net USB_GND_2: 12.448,106.054 13.672,107.834
  rectangle net USB_+3.3V_2: 2.616,91.719 5.41,92.456
  region net +5.0V_0: 112.679,61.29 113.057,60.912 114.761,60.912 115.217,61.369 115.456,61.369 115.456,63.455 115.386,63.525 112.844,63.525 112.679,63.36
  region net +3.3V_0+: 126.871,60.289 122.957,60.289 122.557,60.689 121.448,60.689 121.186,60.426 121.186,57.023 121.257,56.951 123.44,56.951 123.64,57.152 125.04,57.152 126.871,58.983
  region net GND_0: 115.434,61.152 116.996,61.152 117.569,60.579 117.569,60.27 117.879,59.96 119.965,59.96 119.965,58.898 119.607,58.54 116.514,58.54 115.434,59.62
  region net +5.0V_0: 118.457,62.025 117.993,62.025 117.336,61.369 115.434,61.369 115.434,63.456 115.445,63.467 115.456,63.455 117.667,63.455 117.857,63.265 118.457,63.265
  region net GND_0: 119.687,61.795 119.557,61.925 119.557,63.865 119.687,63.995 119.687,65.112 120.427,65.112 120.427,63.765 120.397,63.735 120.397,62.055 120.427,62.025 120.427,61.795 120.854,61.369 120.854,56.951 119.333,56.951 119.333,60.701 119.687,61.055
  region net Net2_1_1: 120.669,63.265 121.459,63.265 121.839,63.645 126.515,63.645 126.871,63.289 126.871,61.575 126.492,61.195 122.154,61.195 121.324,62.025 120.669,62.025
  region net SUPPLY_ext: 87.097,90.99 85.884,89.776 85.884,88.162 88.667,88.162 88.667,90.19 89.383,90.905 89.383,92.321 88.667,93.036 88.307,93.036 87.837,92.566 87.097,92.566
  region net CONTACTOR_gnd: 88.58,94.949 89.57,95.939 90.256,95.939 90.256,92.451 89.56,92.451 88.58,93.379
  region net EXT_2_SUPPLY: 85.662,98.539 85.662,100.339 86.613,101.29 86.613,103.219 86.142,103.69 83.713,103.69 82.437,102.414 82.437,99.991 83.437,99.991 84.889,98.539
  region net EXT_0_GND: 72.224,87.602 72.223,79.829 71.832,79.438 70.432,79.438 67.117,82.753 67.117,90.397 68.517,90.397 68.632,90.512 70.77,90.512 72.224,89.059
  region net EXT_+3.3V_0+: 73.632,88.135 75.032,88.135 76.409,86.759 80.249,86.759 80.905,86.103 80.905,83.922 77.553,80.57 77.553,79.539 77.453,79.438 73.632,79.438
  region net +9-30V_IN_1: 71.349,91.412 70.985,91.049 67.366,91.049 67.117,91.297 67.117,93.51 68.049,94.443 68.049,96.833 68.259,97.043 70.238,97.043 70.238,94.443 69.898,94.103 69.898,92.391 70.238,92.052 70.262,92.076 70.924,92.076 71.349,91.651
  region net NetC15_1: 74.488,90.651 77.321,90.651 77.625,90.347 80.583,90.347 80.905,90.026 80.905,87.602 76.409,87.602 74.488,89.522
  region: 75.023,90.651
  region net EXT_0_GND: 71.738,97.043 71.738,94.443 72.998,93.182 74.886,93.176 75.023,93.039 75.023,92.401 75.248,92.401 75.904,93.057 75.904,94.517 76.125,94.738 77.031,94.738 77.368,95.074 78.192,95.074 78.192,96.6 77.768,97.025
  region net NetC5_2_2: 34.923,55.183 35.735,55.183 36.353,55.8 38.332,55.8 38.814,56.283 38.814,59.847 39.761,60.794 40.614,60.794 40.614,60.494 40.065,60.494 39.855,60.284 39.855,59.303 40.214,58.944 40.214,55.485 38.807,54.078 36.145,54.078 35.736,54.487 34.958,54.487
  region net EXT_0_GND: 43.204,61.767 43.506,62.069 44.711,62.069 44.711,63.274 44.711,65.097 39.307,65.097 39.307,62.995 40.822,62.995 41.224,62.593 41.224,59.278 41.01,59.05 41.01,55.485 44.575,55.485 45.023,55.933 45.023,58.037 44.661,58.037 43.204,59.494
  region net NetC22_2_2: 27.509,57.637 27.509,53.253 26.574,52.318 22.212,52.318 22.212,52.678 23.459,53.926 23.459,55.777 24.065,56.383 25.917,56.383 26.06,56.526 26.06,57.668
  region net GND_1: 27.494,59.482 27.494,62.651 25.114,65.031 17.325,65.031 17.325,61.251 22.923,61.251 23.247,60.927 26.01,60.927 26.01,59.791 26.319,59.482
  region net +5.0V_1+: 25.639,60.493 17.325,60.493 17.325,54.775 17.85,54.25 17.873,54.273 21.325,54.273 21.325,55.888 22.146,56.71 23.722,56.71 23.815,56.617 25.705,56.617 25.705,60.427
  region net EXT_0_GND: 104.582,86.712 104.28,87.014 104.28,88.219 103.075,88.219 101.252,88.219 101.252,82.815 103.354,82.815 103.354,84.33 103.756,84.732 107.072,84.732 107.3,84.518 110.864,84.518 110.864,88.083 110.416,88.531 108.312,88.531 108.312,88.169 106.855,86.712
  region net NetC5_1_2: 111.167,78.431 111.167,79.242 110.549,79.86 110.549,81.84 110.067,82.322 106.503,82.322 105.556,83.269 105.556,84.122 105.856,84.122 105.856,83.573 106.066,83.363 107.047,83.363 107.406,83.722 110.864,83.722 112.271,82.315 112.271,79.653 111.862,79.244 111.862,78.466
  region net GND_COM: 138.652,99.309 139.356,100.013 139.356,101.431 138.971,101.816 137.374,101.816 136.894,101.335 136.894,100.112 137.697,99.309
  region net NetC106_2_1: 141.446,100.19 141.446,98.59 140.021,97.165 136.3,97.165 134.912,98.553 134.912,100.153 136.512,100.153 136.512,100.051 137.594,98.969 138.867,98.969 139.846,99.948 139.846,100.19
  region net EXT_0_GND: 106.438,104.896 106.438,103.981 107.917,102.502 109.665,104.25 109.665,104.578 108.392,105.85 107.392,105.85
  region net NetC106_1_1: 113.115,101.938 110.286,99.109 110.216,99.109 108.568,100.757 108.568,102.386 109.741,103.559 111.428,103.559
  region net +5.0V_0+: 105.856,69.146 105.856,60.833 111.574,60.833 112.099,61.358 112.077,61.38 112.077,64.833 110.461,64.833 109.64,65.654 109.64,67.23 109.732,67.322 109.732,69.212 105.922,69.212
  region net GND_0: 106.868,71.002 103.698,71.002 101.318,68.622 101.318,60.833 105.099,60.833 105.099,66.43 105.423,66.754 105.423,69.517 106.559,69.517 106.868,69.826
  region net NetC22_1_2: 108.712,71.017 113.096,71.017 114.031,70.082 114.031,65.72 113.671,65.72 112.424,66.967 110.572,66.967 109.966,67.573 109.966,69.425 109.824,69.567 108.681,69.567
  pour cut-out: 40.164,35.027 40.164,28.396 40.801,27.76 43.746,27.76 44.262,28.276 44.262,36.424 44.085,36.601 40.35,36.601 40.147,36.398
  pour cut-out: 29.261,19.845 30.806,19.845 30.907,19.946 30.907,20.118 31.421,20.632 32.982,20.632 33.267,20.917 38.397,20.917 38.913,20.402 38.913,16.544 38.327,15.959 34.228,15.959 33.45,16.737 33.167,16.737 31.469,18.435 29.376,18.435 29.3,18.511
  region net EXT_0_SUPPLY: 96.462,99.437 97.202,99.437 97.202,102.294 96.525,102.971 95.407,102.971 95.407,101.563 95.958,101.012 95.958,100.579 96.462,100.075
  pour cut-out: 106.08,17.297 105.684,17.297 104.95,16.563 104.95,11.627 109.573,11.627 109.573,16.682 108.861,17.394 108.861,17.761 108.27,18.352 108.27,20.084 108.144,20.211 106.044,20.211
  pour cut-out: 96.393,20.041 96.393,18.304 96.356,18.267 95.598,18.267 94.667,17.337 94.667,13.752 95.208,13.211 99.491,13.211 99.955,13.675 99.955,17.314 98.933,18.336 98.284,18.336 98.284,20.089
  text "1" at 153.349,29.708 h2 r90
Inner Signal:
  text "4" at 153.349,35.708 h2 r90
Bottom Signal:
  region net NetC5_2_2: 37.46,63.597 37.46,58.546 36.54,57.626 36.54,55.765 36.955,55.35 36.955,54.153 36.616,53.815 35.343,53.815 34.546,54.612 31.425,54.612 31.425,62.863 32.143,63.581 33.446,62.278 35.635,62.278 36.955,63.597
  region net EXT_0_GND: 38.497,63.877 39.367,64.747 43.224,64.747 43.224,63.984 44.414,62.794 44.414,59.555 44.4,59.54 38.497,59.54
  region net NetC35_1_2: 37.46,65.097 37.878,65.515 43.225,65.515 43.225,67.116 37.478,67.116 37.058,67.116
  region net EXT_0_GND: 44.414,59.716 44.414,54.801 44.225,54.612 38.497,54.612 38.497,59.716
  region net EXT_0_GND: 106.633,87.922 111.548,87.922 111.737,87.733 111.737,82.004 106.633,82.004
  region net EXT_0_GND: 102.472,82.004 101.602,82.875 101.602,86.731 102.365,86.731 103.556,87.922 106.795,87.922 106.809,87.908 106.809,82.004
  region net NetC35_1_2: 101.252,80.967 100.834,81.385 100.834,86.733 99.234,86.733 99.234,80.986 99.234,80.565
  region net NetC5_1_2: 102.752,80.967 107.803,80.967 108.723,80.047 110.584,80.047 110.999,80.462 112.196,80.462 112.535,80.124 112.535,78.851 111.737,78.053 111.737,74.933 103.486,74.933 102.769,75.651 104.072,76.954 104.072,79.143 102.752,80.462
  text "6" at 153.349,39.708 h2 r90
Top GND (plane layer: these items are gaps in the copper):
  lines w0.25: 29.312,18.575 31.249,18.575 31.681,18.143 33.528,18.143 33.63,18.042 33.63,16.72 34.265,16.086 38.43,16.086 38.913,16.568 38.913,20.435 38.41,20.937 33.222,20.937 32.954,20.669 31.477,20.669 31.09,20.282 31.09,19.82 30.912,19.642 29.312,19.642 ; 137.084,49.403 137.084,49.047 138.125,48.006 140.919,48.006 141.58,48.666 141.58,52.756 140.919,53.416 137.973,53.416 136.982,52.426 136.982,50.902 137.084,50.8
  lines w0.4: 96.571,19.939 96.571,18.11 95.415,18.11 94.615,17.31 94.615,13.716 95.12,13.211 99.503,13.211 100.041,13.749 100.041,17.333 99.263,18.11 98.069,18.11 98.069,19.99 ; 106.553,19.99 106.553,17.362 105.678,17.362 105.172,16.856 104.953,16.637 104.953,14.82 104.953,11.691 109.549,11.691 109.549,16.856 108.245,18.161 108.052,18.161 108.052,19.99
  lines w1: 0,74.625 0.083,74.625 1.2,75.743 ; 0.263,83.76 0.263,76.68 1.2,75.743 ; 14.453,120 14.554,120 12.979,120 12.979,115.951 14.554,114.376 14.554,96.96 15.316,96.198 15.316,83.631 12.116,80.431 12.116,76.424 11.434,75.743 1.2,75.743 ; 42.723,38.202 42.723,22.149 44.018,20.853 49.7,20.853 50.394,20.159 50.394,0 ; 68.377,0 69.367,0
  lines w1.2: 159,119.628 cw(c159,118.628) 160,118.628 ; 159,120 1,120 ccw(c1,119) 0,119 0,1 ccw(c1,1) 1,0 159,0 ccw(c159,1) 160,1 160,119
  text "2" at 153.349,31.708 h2 r90
Inner PWR (plane layer: these items are gaps in the copper):
  region: 2.057,95.809 4.166,93.701 4.166,93.65 1.727,93.65 1.6,93.523
  region: 1.295,85.42 1.549,85.42 4.242,82.728 4.064,82.55 1.194,82.55
  region: 4.242,82.728 1.778,80.264 1.549,80.264 1.549,82.47 1.295,82.724
  lines w1: 12.116,76.632 12.116,80.289 15.367,83.541 15.367,95.967 14.453,96.882 14.453,120 ; 14.676,82.728 1.295,82.728 0.263,83.76 0.263,92.939 2.007,92.939 2.819,93.751 12.99,93.751 15.26,96.022 ; 43.053,38.202 43.053,21.768 44.018,20.803 49.657,20.803 50.394,20.066 50.394,-0.025 ; 43.612,117.805 49.911,117.805 ; 156.845,117.805 2.87,117.805 1.854,116.789 1.854,2.946 2.845,1.956 157.099,1.956 157.937,2.794 157.937,56.998 157.937,69.291 157.937,116.713 ; 157.912,77.546 157.912,77.699
  lines w5: 0,1 ccw(c1,1) 1,0 159,0 ccw(c159,1) 160,1 160,119 ccw(c159,119) 159,120 1,120 ccw(c1,119) 0,119 0,1
  text "2" at 153.349,33.708 h2 r90
Bottom GND (plane layer: these items are gaps in the copper):
  lines w1: 0.025,75.413 0.025,74.83 17.728,74.83 ; 13.005,120 13.005,115.951 14.612,114.343 14.612,96.919 ; 41.738,21.686 43.536,19.888 50.101,19.888 ; 41.758,36.601 41.758,21.666 41.849,21.575
  lines w1.2: 0,1 ccw(c1,1) 1,0 159,0 ccw(c159,1) 160,1 160,119 ccw(c159,119) 159,120 1,120 ccw(c1,119) 0,119 0,1
  text "5" at 153.349,37.708 h2 r90
Multi-Layer:
  lines w0.2: 151.349,31.703 153.314,31.703 ; 151.349,33.684 153.349,33.684 ; 151.349,35.708 153.349,35.708 ; 151.349,37.697 153.349,37.697 ; 151.349,39.704 153.349,39.704 ; 151.349,29.708 151.349,41.708 153.349,41.708 153.349,29.708 151.349,29.708

## Silkscreen, mask and mechanical layers (free items; w line width, h text height)
Top Overlay:
  drawing of 9 lines, arcs and shapes, not listed
  text "eFuse: 2A" at 100.435,100.96 h1.27 r270
  text "E" at 166.421,66.802 h1.5
  text "E" at 166.319,63.754 h1
  text "A" at 165.685,58.435 h1
  text "3.3V" at 125.919,57.277 h1.5
  text "3.3V" at 3.09,42.327 h1.5 r90
  text "foxBMS BMS-Master v'.GlobalVersion'" at 156.616,28.55 h1.27 r90
  text "foxBMS.org" at 128.355,17.983 h2.54
  text "Creative Commons" at 128.355,9.249 h1.27
  text "Attribution 4.0" at 128.355,8.029 h1.27
  text "1" at 105.343,5.766 h1.8
  text "1" at 117.935,5.766 h1.8
  text "1" at 150.216,5.664 h1.8
  text "1" at 10.084,3.099 h1.8
Top Solder:
  circle w0.6: c148,10 r1.333
  rectangle: 122.758,52.857 125.171,54.28
  rectangle: 122.758,48.362 125.171,49.759
  region: 16.383,12.662 16.383,10.938 28.689,10.938 28.689,12.662
  region: 15.85,25.513 14.127,25.513 14.127,13.207 15.85,13.207
  region: 28.702,26.046 28.702,27.769 16.396,27.769 16.396,26.046
  rectangle: 29.235,13.194 30.958,25.5
  region: 92.918,20.11 92.918,18.36 114.718,18.36 114.718,20.11
  region: 92.152,42.686 90.402,42.686 90.402,20.886 92.152,20.886
  region: 114.727,43.457 114.727,45.208 92.927,45.208 92.927,43.457
  rectangle: 115.496,20.879 117.246,42.679
Dimension:
  the board outline again, w0
Mechanical 2:
  text "Do NOT mill isolation meander." at 41.783,24.892 h1.52 r90
Mechanical 13:
  region: 53.934,18.646 42.921,18.646 42.723,18.448 42.723,12.149 44.018,10.853 49.608,10.853 51.283,12.528 51.283,16.475
Descript:
  lines w0: 2,20 2,120 ; 52,20 52,120 ; 73,0 73,120 ; 158,0 158,120
  lines w0.254: 135.004,4.004 135.012,4.012

## Dimensions
62.5,19.988 to 62.706,120 on Mechanical 16
62.5,46.499 to 60.642,120 on Mechanical 16
62.5,18.4 to 0,17.924 on Mechanical 16
52,120 to 28,117.46 on Mechanical 16
0,119 to 151.13,117.46 on Mechanical 16
0,119 to 139.065,117.46 on Mechanical 16
0,119 to 128.588,117.46 on Mechanical 16
0,119 to 118.11,115.238 on Mechanical 16
0,119 to 107.632,117.46 on Mechanical 16
0,119 to 97.155,117.46 on Mechanical 16
0,119 to 86.677,117.46 on Mechanical 16
0,119 to 76.2,117.46 on Mechanical 16
0,119 to 65.722,117.46 on Mechanical 16
0,119 to 55.245,117.46 on Mechanical 16
0,119 to 46.2,117.46 on Mechanical 16
0,119 to 7.5,115.555 on Mechanical 16
160,119 to 137.65,84.44 on Mechanical 16
157.956,120 to 152.559,87.25 on Mechanical 16
157.956,120 to 150.654,54.75 on Mechanical 16
1,120 to 26.511,60.2 on Mechanical 16
52,120 to 22.4,80.948 on Mechanical 16
52,120 to 31.6,81.265 on Mechanical 16
158,0 to 90,4 on Mechanical 16
158,0 to 112.5,4 on Mechanical 16
158,0 to 135,4 on Mechanical 16
160,120 to 90,4 on Mechanical 16
0,120 to 26.035,82 on Mechanical 16
2,20 to 47,37 on Mechanical 16
0,120 to 7,39.54 on Mechanical 16
2,20 to 7,37 on Mechanical 16
0,120 to 26,102 on Mechanical 16
2,20 to 153,25.068 on Mechanical 16
2,20 to 78,25.068 on Mechanical 16
0,120 to 6.032,117.46 on Mechanical 16
52,120 to 26,102 on Mechanical 16
52,120 to 36.5,102 on Mechanical 16
2,20 to 52,31.1 on Mechanical 16
0,120 to 2,123.81 on Mechanical 16
0,120 to 6.985,25 on Mechanical 16
0,120 to 6.985,99.998 on Mechanical 16
0.953,120.044 to 0.953,0.044 on Mechanical 16
2,120 to 158,120 on Mechanical 16
0,120 to 160,120 on Mechanical 16

## Text inside footprints (layer, text, board x,y; h text height)
IC5: Top Overlay "*" at 26.262,42.569 h1; Mechanical 13 "*" at 28.002,41.452 h1; Assembly Text Bottom "Default Padstyle: RX67Y41D0T" at 22.274,32.892 h1; Assembly Text Bottom "Pin One Padstyle: RX67Y41D0T" at 22.274,31.368 h1; Assembly Text Bottom "Alt 1 Padstyle: OX60Y90D30P" at 22.591,26.796 h1; Assembly Text Bottom "Alt 2 Padstyle: OX90Y60D30P" at 22.591,25.272 h1; Assembly Text Bottom "0.254in/6.452mm" at 28.783,45.211 h1; Assembly Text Bottom "0.38in/9.652mm" at 28.941,47.116 h1; Assembly Text Bottom "0.19in/4.826mm" at 37.438,40.067 h1; Assembly Text Bottom "0.1in/2.54mm" at 19.975,40.067 h1; Assembly Text Bottom "0.039in/0.991mm" at 24.452,34.924 h1
IC6: Top Overlay "*" at 36.066,43.466 h1 r180; Mechanical 13 "*" at 34.326,44.583 h1 r180; Assembly Text Bottom "Default Padstyle: RX67Y41D0T" at 40.054,53.143 h1 r180; Assembly Text Bottom "Pin One Padstyle: RX67Y41D0T" at 40.054,54.667 h1 r180; Assembly Text Bottom "Alt 1 Padstyle: OX60Y90D30P" at 39.736,59.239 h1 r180; Assembly Text Bottom "Alt 2 Padstyle: OX90Y60D30P" at 39.736,60.763 h1 r180; Assembly Text Bottom "0.254in/6.452mm" at 33.545,40.824 h1 r180; Assembly Text Bottom "0.38in/9.652mm" at 33.386,38.919 h1 r180; Assembly Text Bottom "0.19in/4.826mm" at 24.89,45.967 h1 r180; Assembly Text Bottom "0.1in/2.54mm" at 42.353,45.967 h1 r180; Assembly Text Bottom "0.039in/0.991mm" at 37.876,51.111 h1 r180
IC7: Top Overlay "*" at 39.948,42.517 h1; Mechanical 13 "*" at 41.688,41.399 h1; Assembly Text Bottom "0.039in/0.991mm" at 38.138,34.871 h1; Assembly Text Bottom "0.1in/2.54mm" at 33.661,40.015 h1; Assembly Text Bottom "0.19in/4.826mm" at 51.124,40.015 h1; Assembly Text Bottom "0.38in/9.652mm" at 42.627,47.063 h1; Assembly Text Bottom "0.254in/6.452mm" at 42.469,45.158 h1; Assembly Text Bottom "Alt 2 Padstyle: OX90Y60D30P" at 36.277,25.219 h1; Assembly Text Bottom "Alt 1 Padstyle: OX60Y90D30P" at 36.277,26.743 h1; Assembly Text Bottom "Pin One Padstyle: RX67Y41D0T" at 35.96,31.315 h1; Assembly Text Bottom "Default Padstyle: RX67Y41D0T" at 35.96,32.839 h1
IC9: Mechanical 13 "*" at 48.012,44.559 h1 r180; Assembly Text Bottom "0.039in/0.991mm" at 51.562,51.087 h1 r180; Assembly Text Bottom "0.1in/2.54mm" at 56.039,45.943 h1 r180; Assembly Text Bottom "0.19in/4.826mm" at 38.576,45.943 h1 r180; Assembly Text Bottom "0.38in/9.652mm" at 47.072,38.895 h1 r180; Assembly Text Bottom "0.254in/6.452mm" at 47.231,40.8 h1 r180; Assembly Text Bottom "Alt 2 Padstyle: OX90Y60D30P" at 53.422,60.739 h1 r180; Assembly Text Bottom "Alt 1 Padstyle: OX60Y90D30P" at 53.422,59.215 h1 r180; Assembly Text Bottom "Pin One Padstyle: RX67Y41D0T" at 53.74,54.643 h1 r180; Assembly Text Bottom "Default Padstyle: RX67Y41D0T" at 53.74,53.119 h1 r180